# Altium PCB LimeSDR-USB_1v4.PcbDoc (part 7 of 10)
Units mm, origin at the board's own origin, x right, y up, seen from the top; angles counter-clockwise.
Board outline 100 x 60 mm, 12 copper layers (Top, L2, L3, L4, L5, L6, L7, L8, L9, L10, L11, Bottom), stack 1.58 mm thick; 858 components, 627 nets, 4063 pads, 2099 vias.
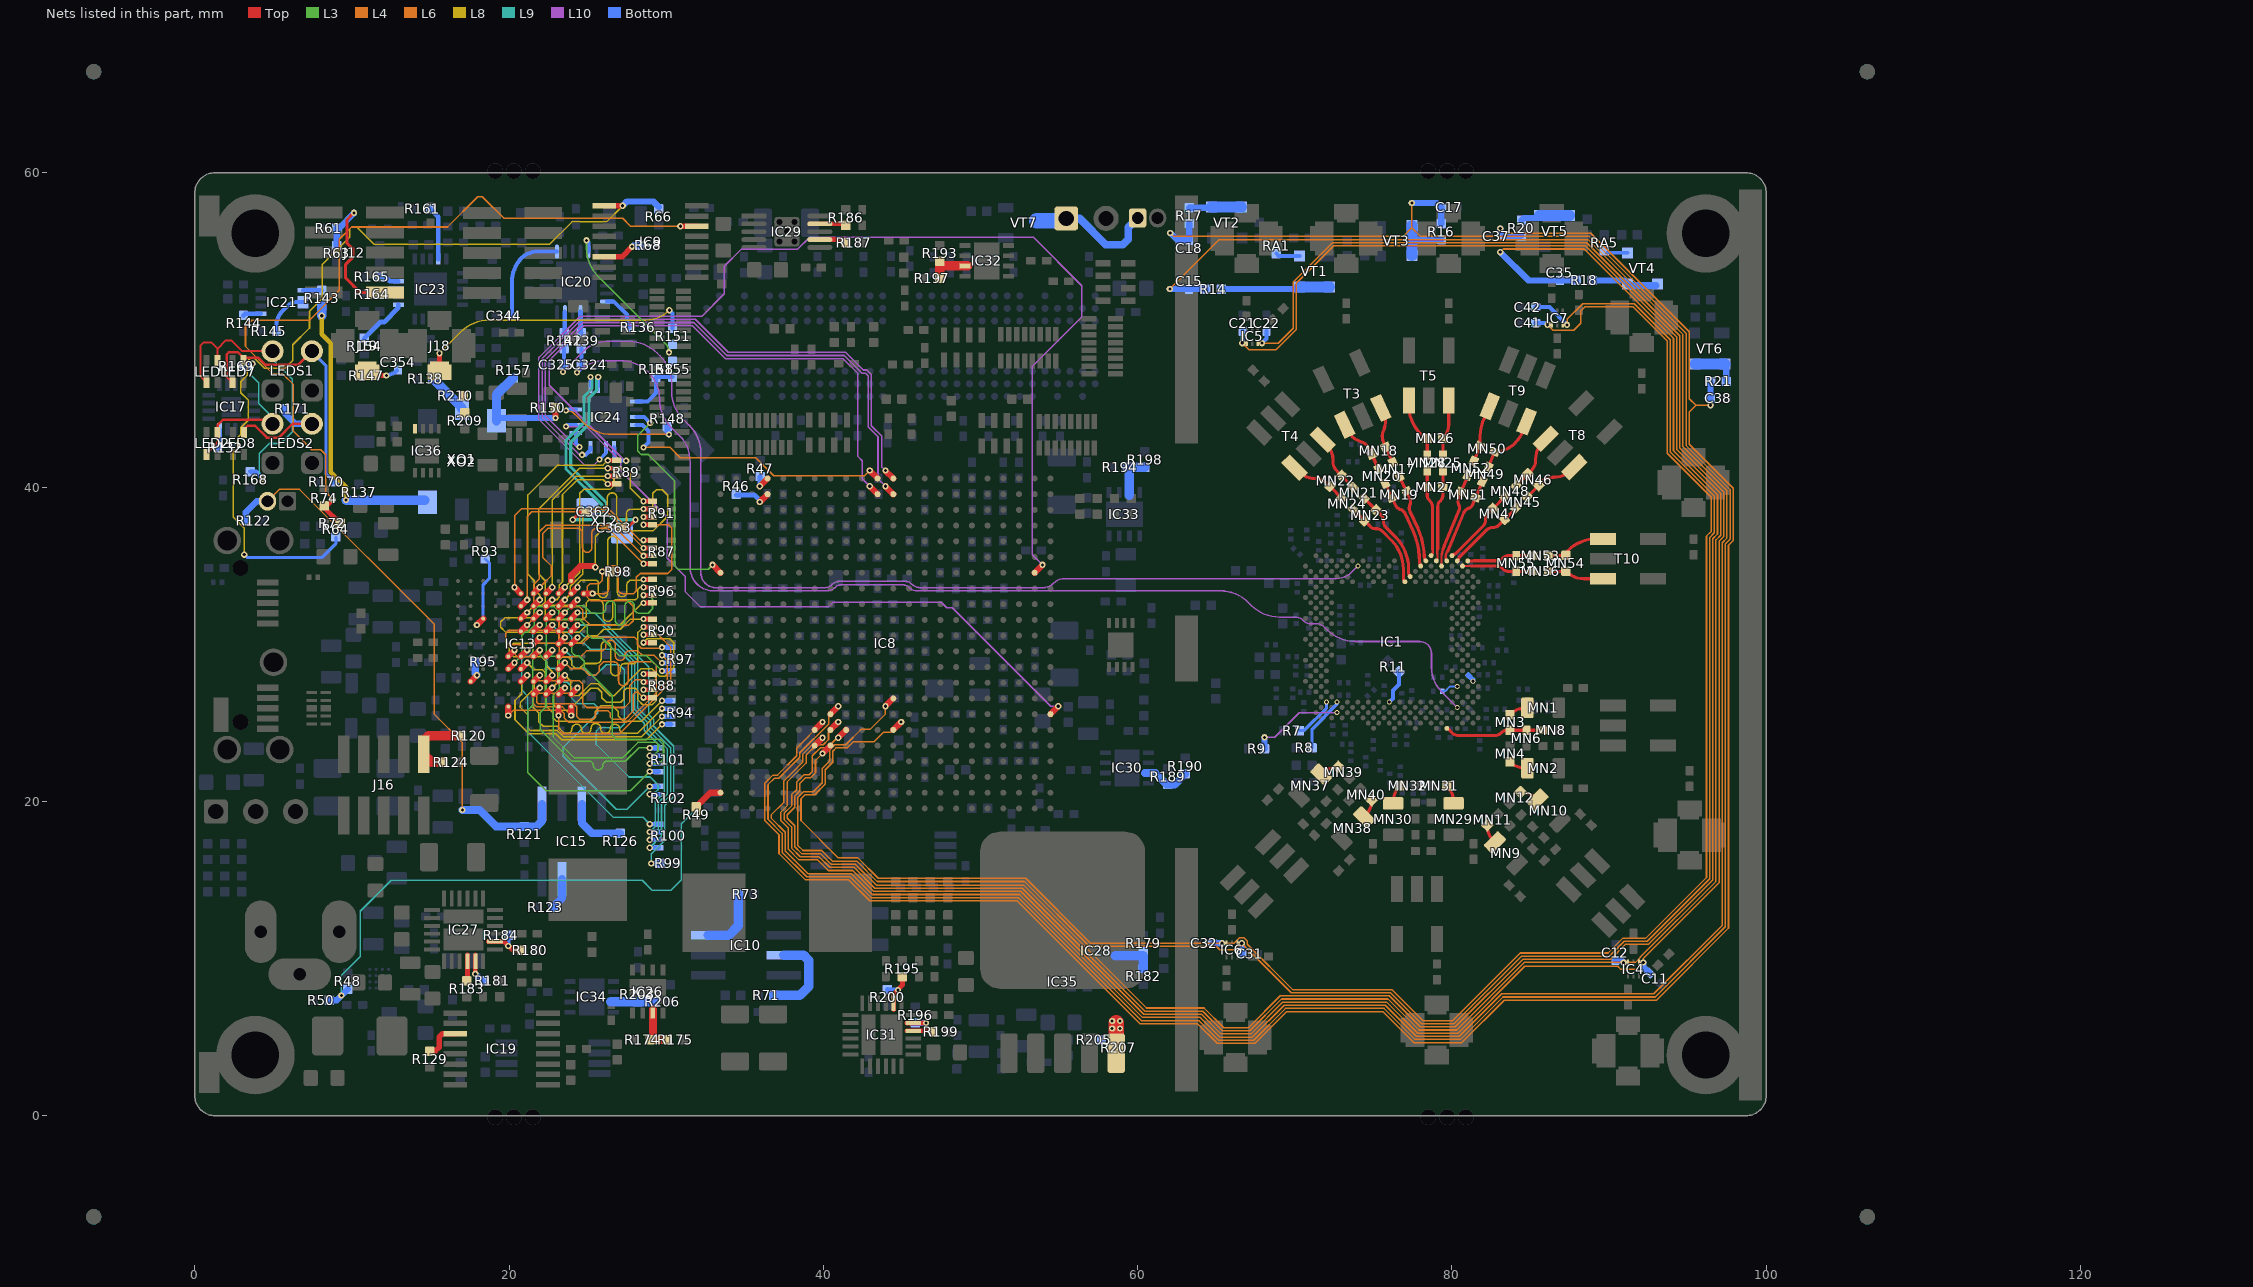
[diagram p17: the nets of this part, all layers, seen from the top]

## Via types
v1: diameter 0.4, hole 0.2, Top to Bottom, tented both sides, 1282 vias
v2: diameter 0.4, hole 0.2, Top to Bottom, tented top, 427 vias
v3: diameter 0.4, hole 0.2, Top to Bottom, 281 vias
v4: diameter 0.31, hole 0.2, Top to Bottom, tented top, 89 vias
v5: diameter 0.5, hole 0.2, Top to Bottom, tented both sides, 20 vias

## Nets (pads, with @x,y where several pads share a name; then routed paths per layer and width w, separated by ;. In a path a pad name is that pad's centre, name@x,y a point inside that pad or via, vN(x,y) a via of type N, cw(c..) or ccw(c..) an arc to the next point about the centre after c; other vN are vias at no path point) (continued)
NetIC1_D28: IC1.D28 R9.1 | length 6
  L10 w0.1: v1(68.075,24.075) 68.718,24.075 70.291,25.647 v4(72.68,25.647)
  Bottom w0.4: R9.1@68.075,23.35 v1(68.075,24.075)
NetIC1_F18: IC1.F18 R11.1 | length 2.2
  Bottom w0.25: v4(76.01,26.313) 76.248,26.552 76.248,27.048 76.631,27.431 76.631,28.164 R11.1@76.58,28.215
NetIC1_F28: IC1.F28 R8.1 | length 3.6
  Bottom w0.2: R8.1@71.1,23.4 71.1,24.598 72.68,26.178 v4(72.68,26.313)
NetIC1_F30: IC1.F30 R7.1 | length 2.7
  Bottom w0.2: R7.1@70.3,24.5 70.578,24.5 72.014,25.936 v4(72.014,26.313)
NetIC1_J5: IC1.J5 R34.1 | length 1.1
  Bottom w0.11: R34.1@79.356,27.019 79.579,27.019 79.872,27.312 v4(80.339,27.312)
NetIC1_K2: IC1.K2 R37.1 | length 0.5
  Bottom w0.3: R37.1@81.049,28.017 R37.1@81.074,28.017 ; R37.1@81.049,28.042 R37.1@81.074,28.017 ; v4(81.338,27.645) 81.338,27.753 R37.1@81.074,28.017
NetIC8_AA19: IC8.AA19 R46.1 | length 2.5
  Top w0.4: v1(35.95,39.05) IC8.AA19@36.45,39.55
  Bottom w0.309: R46.1@34.454,39.479 34.454,39.505 35.595,39.505 35.95,39.15 v1(35.95,39.05)
NetIC8_AB19: IC8.AB19 R47.2 | length 1.3
  Top w0.4: v1(35.95,40.05) IC8.AB19@36.45,40.55
  Bottom w0.309: v1(35.95,40.05) 35.975,40.075 R47.2@35.975,40.675
NetIC9_1: IC9.1 R64.1 R66.2 | length 55.9
  Top w0.35: IC9.1@26.175,57.9 v1(27.225,57.9)
  L8 w0.1: v1(3.15,35.7) 3.15,37.399 2.45,38.099 2.45,42.214 2.75,42.514 2.75,43.175 2.925,43.35 2.925,43.775 3.4,44.25 3.4,45.534 2.925,46.009 2.925,46.711 3.325,47.111 3.325,47.995 3.53,48.2 3.8,48.2 4.45,47.55 5.725,47.55 6.225,48.05 6.225,49.05 7.3,50.125 7.3,51.191 8.1,51.991 8.1,54.153 9.85,55.903 9.85,56.42 9.98,56.55 10.3,56.55 11.4,55.45 22.575,55.45 24,56.875 26.2,56.875 v1(27.225,57.9)
  Bottom w0.2: v1(3.15,35.7) 3.325,35.525 8.1,35.525 8.975,36.4 R64.1@8.975,36.825
  Bottom w0.4: v1(27.225,57.9) 27.5,58.175 29.175,58.175 R66.2@29.525,57.825
NetIC9_6: IC9.6 R68.1 | length 2.6
  Top w0.35: IC9.6@26.05,54.65 27.175,54.65 v1(27.825,55.3)
  Bottom w0.35: v1(27.825,55.3) 27.9,55.375 R68.1@28.35,55.375
NetIC9_14: IC9.14 R72.2 R74.2 | length 51.1
  Top w0.3: v1(8.8,39.2) 8.4,38.8 R74.2@8.25,38.8 8.25,38.7 R72.2@9.25,37.7
  Top w0.35: v1(30.9,56.6) IC9.14@31.95,56.6
  L4 w0.1: v1(8.8,39.2) 8.325,39.675 8.325,42.057 8.007,42.375 7.45,42.375 6.275,43.55 6.275,46.525 5.6,47.2 4.975,47.2 3.225,48.95 3.225,50.225 3.625,50.625 7.305,50.625 9.2,52.52 9.2,55.775 9.975,56.55 16.08,56.55 18.005,58.475 18.295,58.475 19.67,57.1 27.225,57.1 27.725,56.6 v1(30.9,56.6)
NetIC10_3: IC10.3 R73.2 | length 4.2
  Bottom w0.6: IC10.3@32.675,11.485 33.985,11.485 34.575,12.075 R73.2@34.575,14.1
NetIC10_7: IC10.7 R71.2 | length 5.9
  Bottom w0.6: R71.2@36.85,7.65 38.5,7.65 39.075,8.225 39.075,9.875 38.735,10.215 IC10.7@37.475,10.215
NetIC13_B3: IC13.B3 R95.2 | length 1.4
  Top w0.4: IC13.B3@17.55,27.625 v2(17.95,28.025)
  Bottom w0.5: R95.2@17.85,28.875 17.85,28.125 v2@17.937,28.038
NetIC13_C8: IC13.C8 R93.2 | length 5.2
  Top w0.4: v2(17.95,31.225) IC13.C8@18.35,31.625
  Bottom w0.2: v2(17.95,31.225) 18.35,31.625 18.35,33.305 18.35,33.791 18.75,34.191 18.75,35.15 R93.2@18.475,35.425
NetIC13_E1: IC13.E1 R97.4 | length 14.8
  Top w0.4: v2(19.95,25.459) IC13.E1@19.95,26.025
  L4 w0.1: v2(19.95,25.459) 20.3,25.809 23.295,25.809 23.5,25.604 23.5,25.325 23.8,25.025 27.47,25.025 30.075,27.63 30.075,28.95 v1(29.725,29.3)
  Bottom w0.3: v1(29.725,29.3) R97.4@30.3,29.3
NetIC13_E4: IC13.E4 R97.8 | length 15.4
  Top w0.4: IC13.E4@19.95,28.425 v2(20.35,28.825)
  L3 w0.1: v2(20.35,28.825) 20.8,29.275 20.8,30.57 21.005,30.775 21.195,30.775 21.6,31.18 21.6,32.17 21.805,32.375 22.895,32.375 23.15,32.12 23.15,31.825 23.375,31.6 24.47,31.6 24.966,31.104 24.966,30.68 25.271,30.375 25.925,30.375 27.025,29.275 28.75,29.275 v1(29.725,28.3)
  Bottom w0.3: v1(29.725,28.3) R97.8@30.3,28.3
NetIC13_E5: IC13.E5 R97.6 | length 14.3
  Top w0.4: IC13.E5@19.95,29.225 v2(20.35,29.625)
  L4 w0.1: v2(20.35,29.625) 20.35,29.375 20.525,29.2 21.275,29.2 21.55,29.475 21.55,29.9 21.725,30.075 22.925,30.075 23.2,29.8 23.2,29.425 23.425,29.2 24.55,29.2 24.925,29.575 25.5,29.575 25.547,29.575 25.851,29.575 ccw(c25.851,29.879) 26.155,29.879 26.155,29.946 cw(c26.459,29.946) 26.459,30.25 cw(c26.459,29.946) 26.763,29.946 26.763,29.575 26.763,29.268 ccw(c27.067,29.268) 27.067,28.964 ccw(c27.067,29.268) 27.371,29.268 27.371,29.271 cw(c27.675,29.271) 27.675,29.575 28.2,29.575 28.475,29.3 29.225,29.3 v1(29.725,28.8)
  Bottom w0.3: v1(29.725,28.8) R97.6@30.3,28.8
NetIC13_F3: IC13.F3 R94.8 | length 14.6
  Top w0.4: IC13.F3@20.75,27.625 v2(21.15,28.025)
  L8 w0.1: v2(21.15,28.025) 20.8,27.675 20.8,26.85 20.375,26.425 20.375,25.2 21.267,24.308 22.976,24.308 23.359,23.925 28.75,23.925 v1(29.725,24.9)
  Bottom w0.3: v1(29.725,24.9) R94.8@30.3,24.9
NetIC13_F4: IC13.F4 R94.2 | length 14.4
  Top w0.4: IC13.F4@20.75,28.425 v2(21.15,28.825)
  L8 w0.1: v2(21.15,28.825) 21.6,28.375 22.125,28.375 22.2,28.3 22.2,28.292 22.3,28.192 22.3,26.125 22.8,25.625 22.8,25.314 23.005,25.109 25.225,25.109 25.475,25.359 25.475,25.725 25.825,26.075 26.6,26.075 26.95,25.725 26.95,25.425 27.266,25.109 28.434,25.109 v1(29.725,26.4)
  Bottom w0.3: v1(29.725,26.4) R94.2@30.3,26.4
NetIC13_F5: IC13.F5 R97.2 | length 14.5
  Top w0.4: IC13.F5@20.75,29.225 v2(21.15,29.625)
  L4 w0.1: v2(21.15,29.625) 20.8,29.975 19.975,29.975 19.775,30.175 19.775,30.675 19.975,30.875 22.975,30.875 23.175,30.675 23.175,30.25 23.35,30.075 24.7,30.075 25.075,30.45 27.975,30.45 28.15,30.275 28.15,30.005 28.405,29.75 29.675,29.75 v1(29.725,29.8)
  Bottom w0.3: v1(29.725,29.8) R97.2@30.3,29.8
NetIC13_F7: IC13.F7 R87.5 | length 15
  Top w0.3: v1(28.55,35.625) R87.5@29.125,35.625
  Top w0.4: IC13.F7@20.75,30.825 v2(21.15,31.225)
  L4 w0.1: v2(21.15,31.225) 21.575,31.65 21.575,33.8 21.925,34.15 21.925,37.15 22.35,37.575 26.6,37.575 v1(28.55,35.625)
NetIC13_F8: IC13.F8 R89.3 | length 14.1
  Top w0.3: v1(26.275,41.2) R89.3@26.85,41.2
  Top w0.4: IC13.F8@20.75,31.625 v2(21.15,32.025)
  L8 w0.1: v2(21.15,32.025) 21.6,32.475 22.095,32.475 22.3,32.68 22.3,34.046 21.9,34.446 21.9,38.625 24.475,41.2 v1(26.275,41.2)
NetIC13_F9: IC13.F9 R87.3 | length 14.9
  Top w0.3: v1(28.55,36.125) R87.3@29.125,36.125
  Top w0.4: IC13.F9@20.75,32.425 v2(21.15,32.825)
  L4 w0.1: v2(21.15,32.825) 21.15,38.125 21.45,38.425 26.25,38.425 v1(28.55,36.125)
NetIC13_F10: IC13.F10 R87.1 | length 14.9
  Top w0.3: v1(28.55,36.625) R87.1@29.125,36.625
  Top w0.4: v2(20.35,33.625) IC13.F10@20.75,33.225
  L4 w0.1: v2(20.35,33.625) 20.35,38.178 20.797,38.625 26.333,38.625 28.333,36.625 v1(28.55,36.625)
NetIC13_G2: IC13.G2 R94.4 | length 14.5
  Top w0.4: IC13.G2@21.55,26.825 v2(21.95,27.225)
  L8 w0.1: v2(21.95,27.225) 21.5,26.775 21.5,26.004 21.9,25.604 21.9,25.05 22.175,24.775 23.075,24.775 23.525,24.325 23.718,24.325 ccw(c23.718,24.605) 23.998,24.605 cw(c24.302,24.605) 24.302,24.909 cw(c24.302,24.605) 24.606,24.605 ccw(c24.886,24.605) 24.886,24.325 24.91,24.325 ccw(c24.91,24.629) 25.214,24.629 25.214,24.654 cw(c25.518,24.654) 25.518,24.958 cw(c25.518,24.654) 25.822,24.654 25.822,24.629 ccw(c26.126,24.629) 26.126,24.325 26.145,24.325 ccw(c26.145,24.61) 26.43,24.61 cw(c26.734,24.61) 26.734,24.914 cw(c26.734,24.61) 27.038,24.61 ccw(c27.323,24.61) 27.323,24.325 27.646,24.325 27.95,24.325 28.15,24.325 v1(29.725,25.9)
  Bottom w0.3: v1(29.725,25.9) R94.4@30.3,25.9
NetIC13_G3: IC13.G3 R94.6 | length 14.5
  Top w0.4: IC13.G3@21.55,27.625 v2(21.95,28.025)
  L8 w0.1: v2(21.95,28.025) 21.6,27.675 21.6,27.18 20.7,26.28 20.7,26.004 21.175,25.529 21.175,24.683 21.35,24.508 23.059,24.508 23.442,24.125 28.45,24.125 v1(29.725,25.4)
  Bottom w0.3: v1(29.725,25.4) R94.6@30.3,25.4
NetIC13_G5: IC13.G5 R101.7 | length 15.3
  Top w0.4: IC13.G5@21.55,29.225 v2(21.95,29.625)
  L3 w0.1: v2(21.95,29.625) 21.95,29.35 22.35,28.95 22.35,26.025 21.975,25.65 21.975,24.575 24,22.55 24.45,22.55 24.754,22.55 25.12,22.55 cw(c25.12,22.308) 25.362,22.308 ccw(c25.666,22.308) 25.666,22.004 ccw(c25.666,22.308) 25.97,22.308 cw(c26.212,22.308) 26.212,22.55 26.578,22.55 26.925,22.55 27.4,22.55 28.25,23.4 v1(28.95,23.4)
  Bottom w0.3: v1(28.95,23.4) R101.7@29.525,23.4
NetIC13_G6: IC13.G6 R101.1 | length 18.8
  Top w0.4: IC13.G6@21.55,30.025 v2(21.95,30.425)
  L3 w0.1: v2(21.95,30.425) 21.5,29.975 21.5,26.109 21.2,25.809 21.2,21.825 22.35,20.675 27.725,20.675 v1(28.95,21.9)
  Bottom w0.3: v1(28.95,21.9) R101.1@29.525,21.9
NetIC13_G7: IC13.G7 R100.7 | length 18.9
  Top w0.4: IC13.G7@21.55,30.825 v2(21.95,31.225)
  L9 w0.1: v2(21.95,31.225) 21.5,30.775 21.5,29.475 21.25,29.225 21,29.225 20.8,29.025 20.8,27.08 21.2,26.68 21.2,24.417 26.617,19 28.5,19 v1(28.95,18.55)
  Bottom w0.3: v1(28.95,18.55) R100.7@29.525,18.55
NetIC13_G8: IC13.G8 R96.7 | length 14.2
  Top w0.3: v1(28.55,32.625) R96.7@29.125,32.625
  Top w0.4: IC13.G8@21.55,31.625 v2(21.95,32.025)
  L8 w0.1: v2(21.95,32.025) 21.6,31.675 19.725,31.675 19.475,31.425 19.475,31.075 19.775,30.775 24.5,30.775 24.958,31.233 27.076,31.233 28.467,32.625 v1(28.55,32.625)
NetIC13_G9: IC13.G9 R89.1 | length 14.1
  Top w0.3: v1(26.275,41.7) R89.1@26.85,41.7
  Top w0.4: IC13.G9@21.55,32.425 v2(21.95,32.825)
  L8 w0.1: v2(21.95,32.825) 21.95,33.13 21.6,33.48 21.6,34.046 21.2,34.446 21.2,39.5 23.1,41.4 25.975,41.4 v1(26.275,41.7)
NetIC13_G10: IC13.G10 R87.7 | length 15.1
  Top w0.3: v1(28.55,35.125) R87.7@29.125,35.125
  Top w0.4: IC13.G10@21.55,33.225 v2(21.95,33.625)
  L4 w0.1: v2(21.95,33.625) 22.7,34.375 22.7,34.975 22.15,35.525 22.15,37.05 22.475,37.375 23.025,37.375 23.75,37.375 24.054,37.375 24.358,37.375 cw(c24.358,37.071) 24.662,37.071 24.662,36.155 ccw(c24.966,36.155) 24.966,35.851 ccw(c24.966,36.155) 25.27,36.155 25.27,37.071 cw(c25.574,37.071) 25.574,37.375 25.675,37.375 26.3,37.375 v1(28.55,35.125)
NetIC13_H2: IC13.H2 R90.6 | length 14.7
  Top w0.3: v1(28.55,31.1) R90.6@29.125,31.1
  Top w0.4: IC13.H2@22.35,26.825 v2(22.75,27.225)
  L8 w0.1: v2(22.75,27.225) 23.1,27.575 23.1,28.925 23.35,29.175 23.775,29.175 24,28.95 24,28.68 24.205,28.475 24.495,28.475 24.795,28.775 25.275,28.775 25.55,28.775 ccw(c25.55,29.079) 25.854,29.079 25.854,29.871 cw(c26.158,29.871) 26.158,30.175 cw(c26.158,29.871) 26.462,29.871 26.462,28.775 26.462,28.304 ccw(c26.766,28.304) 26.766,28 ccw(c26.766,28.304) 27.07,28.304 27.07,28.471 cw(c27.374,28.471) 27.374,28.775 27.575,28.775 27.725,28.775 28,28.775 28.2,28.975 28.2,30.75 v1(28.55,31.1)
NetIC13_H3: IC13.H3 R90.8 | length 14.4
  Top w0.3: v1(28.55,31.6) R90.8@29.125,31.6
  Top w0.4: IC13.H3@22.35,27.625 v2(22.75,28.025)
  L8 w0.1: v2(22.75,28.025) 22.75,28.25 22.4,28.6 22.4,28.87 22.07,29.2 20.28,29.2 20,29.48 20,29.795 20.255,30.05 24.5,30.05 24.975,30.525 25.6,30.525 26.025,30.95 27.075,30.95 27.725,31.6 v1(28.55,31.6)
NetIC13_H5: IC13.H5 R102.7 | length 18.7
  Top w0.4: IC13.H5@22.35,29.225 v2(22.75,29.625)
  L9 w0.1: v2(22.75,29.625) 22.75,29.375 22.4,29.025 22.4,28.68 22.605,28.475 22.9,28.475 23.2,28.175 23.2,27.875 23.5,27.575 23.695,27.575 24,27.27 24,26.55 24.325,26.225 25.392,26.225 25.625,25.992 25.625,25.6 23.45,23.425 23.45,22.875 26.825,19.5 27.5,19.5 v1(28.95,20.95)
  Bottom w0.3: v1(28.95,20.95) R102.7@29.525,20.95
NetIC13_H7: IC13.H7 R100.5 | length 19.3
  Top w0.4: IC13.H7@22.35,30.825 v2(22.75,31.225)
  L9 w0.1: v2(22.75,31.225) 23.2,30.775 23.695,30.775 23.978,30.492 23.978,30.302 24.205,30.075 24.771,30.075 25.171,29.675 26.912,29.675 27.8,28.787 27.8,25.764 28.6,24.964 28.6,24.528 29.875,23.253 29.875,20.566 29.3,19.991 29.3,18.4 v1(28.95,18.05)
  Bottom w0.3: v1(28.95,18.05) R100.5@29.525,18.05
NetIC13_H8: IC13.H8 R101.5 | length 18.7
  Top w0.4: IC13.H8@22.35,31.625 v2(22.75,32.025)
  L3 w0.1: v2(22.75,32.025) 22.375,31.65 22.375,29.475 22.625,29.225 22.95,29.225 23.2,28.975 23.2,27.1 22.8,26.7 22.8,24.1 24.125,22.775 27.225,22.775 28.2,23.75 29.35,23.75 29.475,23.625 29.475,23.2 29.175,22.9 v1(28.95,22.9)
  Bottom w0.3: v1(28.95,22.9) R101.5@29.525,22.9
NetIC13_H9: IC13.H9 R89.7 | length 11.7
  Top w0.3: v1(26.275,40.2) R89.7@26.85,40.2
  Top w0.4: IC13.H9@22.35,32.425 v2(22.75,32.825)
  L8 w0.1: v2(22.75,32.825) 23.025,32.825 23.2,33 23.2,33.77 23.4,33.97 23.4,39.525 24.35,40.475 26,40.475 v1(26.275,40.2)
NetIC13_H10: IC13.H10 R89.5 | length 10.8
  Top w0.3: v1(26.275,40.7) R89.5@26.85,40.7
  Top w0.4: IC13.H10@22.35,33.225 v2(22.75,33.625)
  L8 w0.1: v2(22.75,33.625) 22.75,34.75 22.75,38.9 22.75,39.175 24.275,40.7 v1(26.275,40.7)
NetIC13_J1: IC13.J1 R90.4 | length 14.9
  Top w0.3: v1(28.55,30.6) R90.4@29.125,30.6
  Top w0.4: v2(23.15,25.459) IC13.J1@23.15,26.025
  L4 w0.1: v2(23.15,25.459) 23.15,24.575 23.425,24.3 27.028,24.3 30.275,27.547 30.275,29.825 29.5,30.6 v1(28.55,30.6)
NetIC13_J2: IC13.J2 R88.8 | length 14.4
  Top w0.3: v1(28.55,28.1) R88.8@29.125,28.1
  Top w0.4: IC13.J2@23.15,26.825 v2(23.55,27.225)
  L8 w0.1: v2(23.55,27.225) 23.275,27.225 22.825,26.775 22.825,26.175 23.191,25.809 23.805,25.809 25.196,27.2 25.65,27.2 25.9,26.95 25.9,26.6 26.2,26.3 27.1,26.3 27.3,26.5 27.3,27.025 27.475,27.2 28.025,27.2 28.2,27.025 28.2,26.455 28.505,26.15 29.1,26.15 29.375,26.425 29.375,27.825 29.1,28.1 v1(28.55,28.1)
NetIC13_J3: IC13.J3 R90.2 | length 14.5
  Top w0.3: v1(28.55,30.1) R90.2@29.125,30.1
  Top w0.4: IC13.J3@23.15,27.625 v2(23.55,28.025)
  L8 w0.1: v2(23.55,28.025) 23.925,27.65 23.925,26.875 24.075,26.725 24.438,26.725 25.188,27.475 25.675,27.475 26.425,26.725 26.68,26.725 28.405,28.45 29.08,28.45 29.58,27.95 29.9,27.95 30.475,28.525 30.475,30.1 30.225,30.35 28.8,30.35 v1(28.55,30.1)
NetIC13_J4: IC13.J4 R88.4 | length 12.7
  Top w0.3: v1(28.55,27.1) R88.4@29.125,27.1
  Top w0.4: IC13.J4@23.15,28.425 v2(23.55,28.825)
  L4 w0.1: v2(23.55,28.825) 23.925,28.45 24.675,28.45 25.1,28.025 25.5,28.025 25.725,28.25 25.725,28.6 26,28.875 26.025,28.875 26.45,28.875 26.659,28.875 cw(c26.659,28.571) 26.963,28.571 26.963,27.663 ccw(c27.267,27.663) 27.267,27.359 ccw(c27.267,27.663) 27.571,27.663 27.571,28.571 cw(c27.875,28.571) 27.875,28.875 29.15,28.875 29.375,28.65 29.375,27.275 29.2,27.1 v1(28.55,27.1)
NetIC13_J5: IC13.J5 R102.5 | length 18.5
  Top w0.4: IC13.J5@23.15,29.225 v2(23.55,29.625)
  L9 w0.1: v2(23.55,29.625) 24,29.175 24,28.68 24.205,28.475 24.75,28.475 25.2,28.025 25.5,28.025 26.175,28.7 27,28.7 27.325,28.375 27.325,24.925 27.075,24.675 25.75,24.675 25.558,24.483 25.558,23.617 27.625,21.55 28.975,21.55 29.475,21.05 29.475,20.75 29.175,20.45 v1(28.95,20.45)
  Bottom w0.3: v1(28.95,20.45) R102.5@29.525,20.45
NetIC13_J6: IC13.J6 R98.2 | length 15.1
  Top w0.4: IC13.J6@23.15,30.025 v2(23.55,30.425) ; v1(25.925,34.625) R98.2@26.45,34.625
  L4 w0.1: v2(23.55,30.425) 23.55,30.583 23.175,30.958 23.175,32.15 23.4,32.375 24.495,32.375 24.7,32.17 24.7,31.675 25.175,31.2 27.6,31.2 27.9,31.5 27.9,32.425 27.55,32.775 25.2,32.775 24.966,33.009 24.966,33.666 25.15,33.85 25.725,33.85 25.925,34.05 v1(25.925,34.625)
NetIC13_J7: IC13.J7 R100.3 | length 19.2
  Top w0.4: IC13.J7@23.15,30.825 v2(23.55,31.225)
  L9 w0.1: v2(23.55,31.225) 24,30.775 24.495,30.775 24.795,30.475 26.395,30.475 28,28.87 28,25.847 28.8,25.047 28.8,24.611 30.075,23.336 30.075,20.483 29.5,19.908 29.5,18.1 v1(28.95,17.55)
  Bottom w0.3: v1(28.95,17.55) R100.3@29.525,17.55
NetIC13_J8: IC13.J8 R96.5 | length 12
  Top w0.3: v1(28.55,33.125) R96.5@29.125,33.125
  Top w0.4: IC13.J8@23.15,31.625 v2(23.55,32.025)
  L3 w0.1: v2(23.55,32.025) 23.975,32.45 24.75,32.45 25.225,31.975 25.85,31.975 ccw(c25.85,32.279) 26.154,32.279 26.154,32.433 cw(c26.458,32.433) 26.458,32.737 cw(c26.458,32.433) 26.762,32.433 26.762,31.975 26.762,31.517 ccw(c27.066,31.517) 27.066,31.213 ccw(c27.066,31.517) 27.37,31.517 27.37,31.975 27.37,32.433 cw(c27.674,32.433) 27.674,32.737 cw(c27.674,32.433) 27.978,32.433 27.978,32.279 ccw(c28.282,32.279) 28.282,31.975 28.425,31.975 28.85,31.975 29.125,32.25 29.125,32.875 28.875,33.125 v1(28.55,33.125)
NetIC13_J9: IC13.J9 R91.3 | length 14.7
  Top w0.3: v1(28.55,38.6) R91.3@29.125,38.6
  Top w0.4: IC13.J9@23.15,32.425 v2(23.55,32.825)
  L8 w0.1: v2(23.55,32.825) 23.9,33.175 23.9,33.692 24.7,34.492 24.7,38.45 24.85,38.6 25.425,38.6 25.8,38.6 25.951,38.6 ccw(c25.951,38.904) 26.255,38.904 26.255,39.324 cw(c26.559,39.324) 26.559,39.628 cw(c26.559,39.324) 26.863,39.324 26.863,38.6 26.863,37.754 ccw(c27.167,37.754) 27.167,37.45 ccw(c27.167,37.754) 27.471,37.754 27.471,38.296 cw(c27.775,38.296) 27.775,38.6 28.025,38.6 v1(28.55,38.6)
NetIC13_J10: IC13.J10 R91.1 | length 14.3
  Top w0.3: v1(28.55,39.1) R91.1@29.125,39.1
  Top w0.4: IC13.J10@23.15,33.225 v2(23.55,33.625)
  L8 w0.1: v2(23.55,33.625) 24.5,34.575 24.5,39.6 24.75,39.85 26.42,39.85 26.675,40.105 26.675,41 26.9,41.225 27.525,41.225 27.7,41.05 27.7,39.95 v1(28.55,39.1)
NetIC13_K1: IC13.K1 R88.6 | length 15
  Top w0.3: v1(28.55,27.6) R88.6@29.125,27.6
  Top w0.4: v2(23.95,25.459) IC13.K1@23.95,26.025
  L4 w0.1: v2(23.95,25.459) 23.4,26.009 21.766,26.009 21.55,26.225 21.55,27.425 21.8,27.675 24.475,27.675 24.7,27.45 24.7,26.225 24.95,25.975 27.34,25.975 27.691,26.326 27.691,27.391 28.05,27.75 28.4,27.75 v1(28.55,27.6)
NetIC13_K2: IC13.K2 R88.2 | length 14.4
  Top w0.3: v1(28.55,26.6) R88.2@29.125,26.6
  Top w0.4: IC13.K2@23.95,26.825 v2(24.35,27.225)
  L4 w0.1: v2(24.35,27.225) 24.35,27 24.225,26.875 21.875,26.875 21.75,26.75 21.75,26.308 21.849,26.209 24.116,26.209 24.3,26.025 24.3,25.4 24.475,25.225 25.35,25.225 25.5,25.375 25.5,25.65 25.625,25.775 26.275,25.775 26.425,25.625 26.425,25.375 26.575,25.225 27.387,25.225 27.891,25.729 27.891,26.791 28.05,26.95 28.2,26.95 v1(28.55,26.6)
NetIC13_K6: IC13.K6 R101.3 | length 14.2
  Top w0.4: IC13.K6@23.95,30.025 v2(24.35,30.425)
  L3 w0.1: v2(24.35,30.425) 24,30.075 24,29.48 24.205,29.275 24.425,29.275 24.775,28.925 24.775,28.525 26.575,26.725 26.575,24.2 26.825,23.95 29.625,23.95 29.825,23.75 29.825,22.675 29.55,22.4 v1(28.95,22.4)
  Bottom w0.3: v1(28.95,22.4) R101.3@29.525,22.4
NetIC13_K7: IC13.K7 R100.1 | length 19.2
  Top w0.4: IC13.K7@23.95,30.825 v2(24.35,31.225)
  L9 w0.1: v2(24.35,31.225) 25.928,31.225 28.2,28.953 28.2,25.93 29,25.13 29,24.694 30.275,23.419 30.275,20.4 29.7,19.825 29.7,17.8 v1(28.95,17.05)
  Bottom w0.3: v1(28.95,17.05) R100.1@29.525,17.05
NetIC13_K8: IC13.K8 R99.1 | length 20.9
  Top w0.4: IC13.K8@23.95,31.625 v2(24.35,32.025)
  L9 w0.1: v2(24.35,32.025) 24.4,31.975 25.461,31.975 28.9,28.536 28.9,25.513 29.2,25.213 29.2,24.776 30.475,23.501 30.475,20.317 29.9,19.742 29.9,17.505 29.05,16.655 v1(29.05,16.05)
  Bottom w0.3: v1(29.05,16.05) R99.1@29.625,16.05
NetIC13_K9: IC13.K9 R96.3 | length 14.2
  Top w0.3: v1(28.55,33.625) R96.3@29.125,33.625
  Top w0.4: IC13.K9@23.95,32.425 v2(24.35,32.825)
  L8 w0.1: v2(24.35,32.825) 24,32.475 22.5,32.475 22.3,32.275 22.3,31.775 22.5,31.575 24.725,31.575 24.9,31.75 24.9,32.625 25.1,32.825 25.475,32.825 25.675,32.825 cw(c25.675,32.521) 25.979,32.521 25.979,31.754 ccw(c26.283,31.754) 26.283,31.45 ccw(c26.283,31.754) 26.587,31.754 26.587,32.587 cw(c26.825,32.587) 26.825,32.825 28.05,32.825 28.2,32.975 28.2,33.5 28.325,33.625 v1(28.55,33.625)
NetIC13_K10: IC13.K10 R96.1 | length 14.6
  Top w0.3: v1(28.55,34.125) R96.1@29.125,34.125
  Top w0.4: IC13.K10@23.95,33.225 v2(24.35,33.625)
  L8 w0.1: v2(24.35,33.625) 24.35,33.85 24.575,34.075 25.1,34.075 25.5,34.075 cw(c25.5,33.903) 25.672,33.903 25.672,33.271 ccw(c25.976,33.271) 25.976,32.967 ccw(c25.976,33.271) 26.28,33.271 26.28,34.075 26.28,36.565 cw(c26.584,36.565) 26.584,36.869 cw(c26.584,36.565) 26.888,36.565 26.888,34.075 26.888,33.329 ccw(c27.192,33.329) 27.192,33.025 ccw(c27.192,33.329) 27.496,33.329 27.496,33.771 cw(c27.8,33.771) 27.8,34.075 28.4,34.075 28.5,34.075 v1(28.55,34.125)
NetIC13_K11: IC13.K11 R91.5 | length 14.5
  Top w0.3: v1(28.55,38.1) R91.5@29.125,38.1
  Top w0.4: IC13.K11@23.95,34.025 23.95,34.4 24.525,34.975 25.416,34.975 v2(25.491,34.9)
  L8 w0.1: v2(25.491,34.9) 25.491,36.841 26.079,37.429 26.732,37.429 26.928,37.233 29.183,37.233 30.1,38.15 30.1,39.475 29.75,39.825 29.375,39.825 29.15,39.6 29.15,38.325 28.925,38.1 v1(28.55,38.1)
NetIC13_L10: IC13.L10 R91.7 | length 14.9
  Top w0.3: v1(28.55,37.6) R91.7@29.125,37.6
  Top w0.4: IC13.L10@24.75,33.225 v2(25.316,33.225)
  L4 w0.1: v2(25.316,33.225) 26.025,33.225 ccw(c26.025,33.529) 26.329,33.529 26.329,34.699 cw(c26.633,34.699) 26.633,35.003 cw(c26.633,34.699) 26.937,34.699 26.937,33.529 ccw(c27.241,33.529) 27.241,33.225 27.545,33.225 27.7,33.225 27.925,33.225 28.1,33.4 28.1,34.255 28.345,34.5 30.1,34.5 30.35,34.75 30.35,37.4 30.15,37.6 v1(28.55,37.6)
NetIC15_1: IC15.1 J17.2 R121.2 R122.2 | length 36
  L4 w0.1: J17.2@4.63,39.1 4.63,39.112 5.368,39.85 6.67,39.85 15.25,31.27 15.25,25.531 17.025,23.756 v1(17.025,19.45)
  Bottom w0.4: R122.2@3.25,37.85 3.25,38.4 3.95,39.1 J17.2@4.63,39.1
  Bottom w0.5: v1(17.025,19.45) 18.125,19.45 19.175,18.4 R121.2@20.975,18.4 21.75,18.4 22.095,18.745 IC15.1@22.095,19.85
NetIC15_3: IC15.3 R126.2 | length 3.9
  Bottom w0.5: IC15.3@24.635,19.85 24.635,18.615 25.275,17.975 R126.2@27.075,17.975
NetIC15_7: IC15.7 R123.2 | length 2